# Altium PCB OSP_Carrier_V7_Release.PcbDoc (part 1 of 3) (continued)
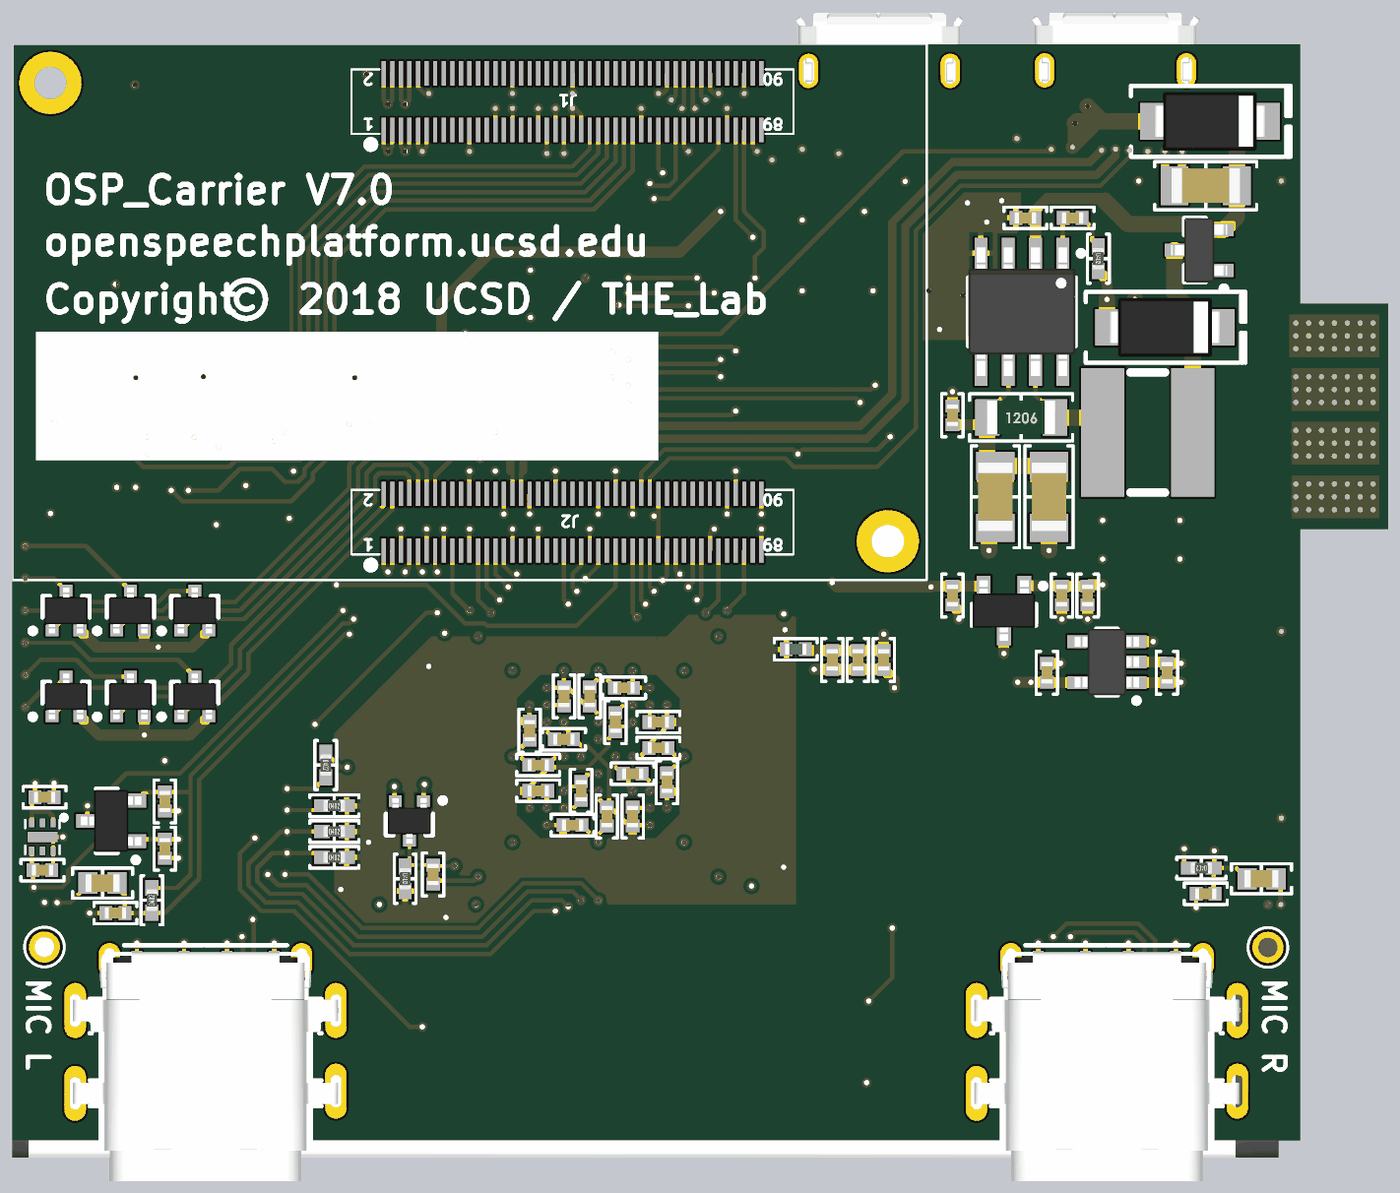
[diagram p7: 3D render of the assembled board from below, using the file's embedded part models]

## Layer stack, top to bottom
Top Solder: solder mask 0.4, Solder Resist, Dk 3.5
Component Side: signal copper 1.4
Dielectric 1: prepreg 5, FR-4, Dk 4.2
Signal Layer 1: signal copper 2
Dielectric 3: core 45.4, FR-4, Dk 4.2
Signal Layer 2: signal copper 2
Dielectric 2: prepreg 5, FR-4, Dk 4.2
Solder Side: signal copper 1.4
Bottom Solder: solder mask 0.4, Solder Resist, Dk 3.5

## Board outline
0,-2011.81 157.48,-2011.81 157.48,-1803.15 551.18,-1803.15 551.18,-2011.81 984.25,-2011.81 1377.95,-2011.81 1811.02,-2011.81 1811.02,-1803.15 2204.72,-1803.15 2204.72,-2011.81 2362.2,-2011.81 2362.2,0 0,0 0,-476.38 -161.42,-476.38 -161.42,-889.76 0,-889.76

## Design rules (kind name [scope] priority, off if disabled: settings)
BoardOutlineClearance [OnCopper] p1: gap=12 ignorepadtopadclearanceinfootprint=FALSE
Clearance Clearance_Polygon_FPGA [InPolygon And (OnTopLayer Or OnBottomLayer) And (InNet('+3V3_F') Or InNet('+1V8_IO'))] p1: gap=6 ignorepadtopadclearanceinfootprint=FALSE
Clearance Clearance_Polygon [InPolygon] p2: gap=8 ignorepadtopadclearanceinfootprint=FALSE
Clearance [All] p3: gap=4.5 ignorepadtopadclearanceinfootprint=FALSE
ComponentClearance ComponentClearance_J00 [InComponent('J0')   Or InComponent('J00')] p1: gap=0 collisioncheckmode=3 verticalgap=0 showdistances=FALSE
ComponentClearance [All] p2: gap=10 collisioncheckmode=3 verticalgap=10 showdistances=FALSE
DiffPairsRouting [All] p1: maxlimit=10 minlimit=4.5 mostfreqgap=8 toplayer_minwidth=6 toplayer_maxwidth=15 toplayer_prefwidth=8 midlayer1_minwidth=6 midlayer1_maxwidth=15 midlayer1_prefwidth=8 midlayer2_minwidth=6 midlayer2_maxwidth=15 midlayer2_prefwidth=8 bottomlayer_minwidth=6 bottomlayer_maxwidth=15 bottomlayer_prefwidth=8 maxuncoupledlength=500
Height [All] p1: minheight=0 maxheight=10000 prefheight=500
HoleSize [All] p1: absolutevalues=TRUE maxlimit=126 minlimit=1 maxpercent=80.000 minpercent=20.000
MinimumSolderMaskSliver [All] p1: minsoldermaskwidth=3
PolygonConnect PolygonConnect_SOM [InNet('GND') And OnTopLayer] p1: thpad.connectstyle=Relief thpad.reliefconductorwidth=8 thpad.reliefentries=4 thpad.polygonreliefangle="90 Angle" thpad.airgapwidth=10 smdpad.connectstyle=Relief smdpad.reliefconductorwidth=8 smdpad.reliefentries=4 smdpad.polygonreliefangle="90 Angle" smdpad.airgapwidth=7 via.connectstyle=Direct via.reliefconductorwidth=8 via.reliefentries=4 via.polygonreliefangle="90 Angle" via.airgapwidth=10
PolygonConnect PolygonConnect_3V3Thermal [InNet('+3V3') And OnTopLayer] p2: connectstyle=Direct reliefconductorwidth=8 reliefentries=4 polygonreliefangle="90 Angle" airgapwidth=10
PolygonConnect [All] p3: thpad.connectstyle=Relief thpad.reliefconductorwidth=10 thpad.reliefentries=4 thpad.polygonreliefangle="90 Angle" thpad.airgapwidth=10 smdpad.connectstyle=Relief smdpad.reliefconductorwidth=10 smdpad.reliefentries=4 smdpad.polygonreliefangle="90 Angle" smdpad.airgapwidth=10 via.connectstyle=Direct via.reliefconductorwidth=10 via.reliefentries=4 via.polygonreliefangle="90 Angle" via.airgapwidth=10
RoutingVias [All] p1: holewidth=9 width=18 viastyle="Through Hole" minholewidth=9 minwidth=18 maxholewidth=28 maxwidth=50
SilkToSilkClearance [All] p1: silktosilkclearance=0
SilkToSolderMaskClearance [IsPad] p1: minsilkscreentomaskgap=0 clearancetoexposedcopper=TRUE
SolderMaskExpansion [All] p1: expansion=4
Width [All] p1: maxlimit=50 minlimit=6 preferedwidth=8
23 further rules are at their usual default settings.

## Classes and differential pairs
component class OSP_Carrier_V7_Release_DJB: C12 C13 C14 C15 C16 C17 C19 C20 C21 C22 C23 C25 C26 C28 J2 J3 J40 Q7 R3 R4 R7 R10 R11 R12 R13 R14 R16 R17 R18 R19 R20 R21 R29 TP1 TP2 TP3 TP4 Y1
component class OSP_Carrier_V7_Release_Misc: C18 C39 J0 J00 LD2 LD3 LD5 LD6 LD7 LD8 LD9 LD10 Q1 Q2 Q3 Q4 Q5 Q6 R2 R5 R22 R23 R24 R25 R26 R27 R28 R31 R43 R44 SW1 SW2 SW3 U4
component class OSP_Carrier_V7_Release_PMIC_Audio: C43 C44 C47 C48 C98 C99 C110 C111 MK1 MK2 R6 R40 R41 U3 U24
component class OSP_Carrier_V7_Release_Power: A1 BT1 C1 C2 C3 C4 C5 C6 C7 C8 C9 C10 C11 C46 C49 C50 C51 C52 C53 C54 C55 C60 C61 C62 D2 D3 FB1 J26 L1 LD1 Q8 R1 R8 R9 U1 U5 U6 U7
component class OSP_Carrier_V7_Release_SD: C56 C57 C58 C59 D18 D19 J19 R32 R47
component class OSP_Carrier_V7_Release_USB: C70 C71 C72 C73 C74 C75 D1 D23 FB3 J4 J22 LD11 R30 R35 R49 R54 R55 U13 U14
differential pair R_PRE: +R_PRE_P -R_PRE_N
differential pair R_LVDS: +R_LVDS_P -R_LVDS_N
differential pair L_PRE: +L_PRE_P -L_PRE_N
differential pair L_LVDS: +L_LVDS_P -L_LVDS_N
differential pair USB_D: +USB_D_P -USB_D_N
differential pair USB_U: +USB_U_P -USB_U_N
differential pair USB_UX: +USB_UX_P -USB_UX_N

## Components (designator, comment, footprint, x,y, rotation, side; value= is the part's Value field where it differs from the comment)
A1 "DART-SD410" DART-SD410 685.04,0.79 r0 bottom locked
BT1 "BP2000 / AVX 9155-004-201-006" SAMSUNG_BP2000 39.37,-220.47 r0 top locked
C1 "4.7uF" "CAP 0402/1005" 763.78,-1129.92 r90 bottom
C2 "1uF" "CAP 0402/1005" 811.02,-1129.92 r270 bottom
C3 "0.1uF" "CAP 0402/1005" 858.27,-1129.92 r90 bottom
C4 "0.1uF" "CAP 0402/1005" 980.31,-1062.99 r270 top
C5 "0.1uF" "CAP 0402/1005" 1523.62,-1618.11 r0 top
C6 "0.1uF" "CAP 0402/1005" 1350.39,-1275.59 r180 bottom
C7 "0.1uF" "CAP 0402/1005" 1224.41,-1338.58 r0 bottom
C8 "0.01uF" "CAP 0402/1005" 1598.43,-1098.43 r270 top
C9 "0.01uF" "CAP 0402/1005" 976.38,-1527.56 r90 top
C10 "0.01uF" "CAP 0402/1005" 1255.91,-1244.09 r270 bottom
C11 "0.01uF" "CAP 0402/1005" 1318.9,-1370.08 r90 bottom
C12 "0.1uF" "CAP 0402/1005" 1303.15,-1196.85 r270 bottom
C13 "0.1uF" "CAP 0402/1005" 1271.65,-1417.32 r90 bottom
C14 "0.1uF" "CAP 0402/1005" 1590.55,-1523.62 r270 bottom
C15 "0.1uF" "CAP 0402/1005" 1397.64,-1370.08 r0 bottom
C16 "0.1uF" "CAP 0402/1005" 1177.16,-1291.34 r0 bottom
C17 "0.1uF" "CAP 0402/1005" 1708.66,-1417.32 r270 top
C18 "0.1uF" "CAP 0402/1005" 1385.83,-397.64 r270 top
C19 "0.1uF" "CAP 0402/1005" 1413.39,-1259.84 r90 bottom
C20 "0.1uF" "CAP 0402/1005" 1397.64,-1322.83 r180 bottom
C21 "0.01uF" "CAP 0402/1005" 1240.16,-1181.1 r0 bottom
C22 "0.01uF" "CAP 0402/1005" 1224.41,-1417.32 r90 bottom
C23 "0.01uF" "CAP 0402/1005" 1350.39,-1196.85 r270 bottom
C25 "0.01uF" "CAP 0402/1005" 1334.65,-1433.07 r180 bottom
C26 "0.01uF" "CAP 0402/1005" 1177.16,-1244.09 r0 bottom
C28 "0.01uF" "CAP 0402/1005" 1161.42,-1354.33 r90 bottom
C39 "0.1uF" "CAP 0402/1005" 1385.83,-484.25 r270 top
C43 "1uF" "CAP 0402/1005" 2082.68,-1476.38 r270 bottom
C44 "1uF" "CAP 0402/1005" 2082.68,-1389.76 r270 bottom
C46 "10uF" "CAP 1206/3216" 173.23,-259.84 r0 bottom
C47 "33pF" "CAP 0402/1005" 173.23,-1559.06 r180 bottom
C48 "33pF" "CAP 0402/1005" 2173.23,-1594.49 r180 bottom
C49 "0.47uF" "CAP 0402/1005" 417.32,-318.9 r180 bottom
C50 "1uF" "CAP 0402/1005" 637.8,-681.1 r90 bottom
C51 "10uF" "CAP 1206/3216" 559.05,-830.71 r270 bottom
C52 "10uF" "CAP 1206/3216" 460.63,-830.71 r270 bottom
C53 "0.1uF" "CAP 0402/1005" 503.94,-318.9 r0 bottom
C54 "1uF" "CAP 0402/1005" 244.09,-1153.54 r90 bottom
C55 "1uF" "CAP 0402/1005" 464.57,-1153.54 r90 bottom
C56 "0.1uF" "CAP 0402/1005" 1944.88,-724.41 r180 top
C57 "47pF" "CAP 0402/1005" 2153.54,-783.46 r180 top
C58 "1uF" "CAP 0603/1608" 1960.63,-779.53 r180 top
C59 "0.1uF" "CAP 0402/1005" 1720.47,-724.41 r0 top
C60 "4.7uF" "CAP 0402/1005" 389.76,-1011.81 r90 bottom
C61 "0.1uF" "CAP 0402/1005" 437.01,-1011.81 r90 bottom
C62 "1uF" "CAP 0402/1005" 637.8,-1011.81 r270 bottom
C70 "1uF" "CAP 0603/1608" 889.76,-488.19 r180 top
C71 "4.7uF" "CAP 0402/1005" 755.91,-440.94 r90 top
C72 "0.1uF" "CAP 0402/1005" 807.09,-440.94 r90 top
C73 "0.1uF" "CAP 0402/1005" 807.09,-354.33 r270 top
C74 "47pF" "CAP 0402/1005" 870.08,-236.22 r0 top
C75 "47pF" "CAP 0402/1005" 956.69,-236.22 r180 top
C98 "1uF" "CAP 0603/1608" 2196.85,-1539.37 r0 bottom
C99 "1uF" "CAP 0603/1608" 70.87,-1531.5 r180 bottom
C110 "1uF" "CAP 0402/1005" 2303.15,-1381.89 r180 bottom
C111 "1uF" "CAP 0402/1005" 2307.09,-1515.75 r180 bottom
D1 "TPD4S012" TI_SON6 338.58,-236.22 r180 top
D2 "B330" "DO214AC SMA" 165.35,-141.73 r180 bottom
D3 "B330" "DO214AC SMA" 248.03,-519.69 r180 bottom
D18 "TPD4E001" TI_SOT-563_DRL 2066.93,-751.97 r270 top
D19 "TPD4E001" TI_SOT-563_DRL 1807.09,-751.97 r90 top
D23 "TPD4S012" TI_SON6 775.59,-244.09 r180 top
FB1 "220 Ohm @ 100MHz" "FER 0402/1005" 925.2,-1110.24 r0 bottom
FB3 "220 Ohm @ 100MHz" "FER 0603/1608" 748.03,-338.58 r90 top
J0 "DF40C-90DS-0.4V(51)" Hirose_DF40C-90DS-0.4V(51) 1334.65,-105.51 r0 top
J00 "DF40C-90DS-0.4V(51)" Hirose_DF40C-90DS-0.4V(51) 1334.65,-877.17 r0 top
J2 "USB-C" TE_USB-C_2129691-1 2007.87,-1874.02 r0 bottom
J3 "USB-C" TE_USB-C_2129691-1 354.33,-1874.02 r0 bottom
J4 "Micro USB" "FCI USB 10118193-0001LF" 338.58,-50.2 r0 top
J19 "DM3AT-SF-PEJM5" "HIROSE DM3AT-SF-PEJM5" 1921.26,-341.54 r180 top
J22 "Micro USB" "FCI USB 10118193-0001LF" 771.65,-51.18 r0 top
J26 "Shallow" AMPHENOL_10125839-04RAEHLF_DNP 291.34,-830.71 r180 top
J40 "FFC" AMPHENOL_HFW6R-1STE1LF 1881.89,-1425.2 r90 top
L1 "6.8uH" LAIRD_TYS6028 279.53,-712.6 r180 bottom
LD1 "Red" "LED 0603/1608 RED" 555.12,-74.8 r90 top value=Green
LD2 "Yellow" "LED 0603/1608 YELLOW" 2255.91,-724.41 r90 top value=Green
LD3 "Green" "LED 0603/1608 GREEN" 2314.96,-724.41 r90 top
LD5 "Green" "LED 0603/1608 GREEN" 2274.61,-921.26 r0 top
LD6 "Green" "LED 0603/1608 GREEN" 2274.61,-980.31 r0 top
LD7 "Green" "LED 0603/1608 GREEN" 2274.61,-1039.37 r0 top
LD8 "Green" "LED 0603/1608 GREEN" 2274.61,-1098.43 r0 top
LD9 "Yellow" "LED 0603/1608 YELLOW" 2274.61,-1216.54 r0 top value=Green
LD10 "Blue" "LED 0603/1608 BLUE" 2274.61,-1157.48 r0 top value=Green
LD11 "Green" "LED 0603/1608 GREEN" 681.1,-277.56 r90 top
MK1 "MEMS" MEMS_MIC 2303.15,-1637.8 r0 top
MK2 "MEMS" MEMS_MIC 58.76,-1638.58 r0 top
Q1 "NX3020NAKW,115" "NXP SOT-323-3" 2145.67,-1039.37 r90 bottom
Q2 "NX3020NAKW,115" "NXP SOT-323-3" 2263.78,-1039.37 r90 bottom
Q3 "NX3020NAKW,115" "NXP SOT-323-3" 2027.56,-1039.37 r90 bottom
Q4 "NX3020NAKW,115" "NXP SOT-323-3" 2027.56,-1196.85 r90 bottom
Q5 "NX3020NAKW,115" "NXP SOT-323-3" 2263.78,-1196.85 r90 bottom
Q6 "NX3020NAKW,115" "NXP SOT-323-3" 2145.67,-1196.85 r90 bottom
Q7 "NX3020NAKW,115" "NXP SOT-323-3" 1633.86,-1425.2 r270 bottom
Q8 "PMV30XPEAR" NXP_SOT23 185.04,-377.95 r0 bottom
R1 "2k" "RES 0402/1005" 555.12,-188.98 r270 top
R2 "330" "RES 0402/1005" 2255.91,-838.58 r90 top
R3 "4.7k" "RES 0402/1005" 1641.73,-1531.5 r270 bottom
R4 "10k" "RES 0402/1005" 1771.65,-1492.13 r180 bottom
R5 "330" "RES 0402/1005" 2314.96,-838.58 r90 top
R6 "0.0" "RES 0603/1608" 1562.99,-220.47 r270 top
R7 "10k" "RES 0402/1005" 1771.65,-1444.79 r180 bottom
R8 "0.2" "STACKPOLE CSR1206" 511.81,-685.04 r180 bottom
R9 "2.2k" "RES 0402/1005" 370.08,-393.7 r270 bottom
R10 "10k" "RES 0402/1005" 1771.65,-1397.64 r180 bottom
R11 "10k" "RES 0402/1005" 1787.4,-1322.83 r270 bottom
R12 "2k" "RES 0402/1005" 1665.35,-1803.15 r180 top
R13 "100" "RES 0402/1005" 1614.17,-1751.97 r0 top
R14 "115" "RES 0402/1005" 1688.98,-1728.35 r270 top
R16 "100" "RES 0402/1005" 1614.17,-1704.72 r0 top
R17 "2k" "RES 0402/1005" 1688.98,-1629.92 r270 top
R18 "2k" "RES 0402/1005" 740.16,-1755.91 r0 top
R19 "100" "RES 0402/1005" 791.34,-1807.09 r180 top
R20 "115" "RES 0402/1005" 716.54,-1830.71 r90 top
R21 "100" "RES 0402/1005" 791.34,-1854.33 r180 top
R22 "200" "RES 0402/1005" 2156.5,-921.26 r180 top
R23 "200" "RES 0402/1005" 2156.5,-980.31 r180 top
R24 "200" "RES 0402/1005" 2156.5,-1039.37 r180 top
R25 "200" "RES 0402/1005" 2156.5,-1098.43 r180 top
R26 "200" "RES 0402/1005" 2157.48,-1216.54 r180 top
R27 "200" "RES 0402/1005" 2157.48,-1157.48 r180 top
R28 "10k" "RES 0402/1005" 1043.31,-216.54 r270 top
R29 "2k" "RES 0402/1005" 740.16,-1905.51 r180 top
R30 "100k" "RES 0402/1005" 311.02,-291.34 r0 top
R31 "10k" "RES 0402/1005" 1500,-818.9 r180 top
R32 "100k" "RES 0402/1005" 2011.81,-850.39 r180 top value=1K
R35 "47k" "RES 0402/1005" 236.22,-263.78 r270 top
R40 "10k" "RES 0402/1005" 181.1,-1511.81 r0 bottom
R41 "10k" "RES 0402/1005" 2106.3,-1570.87 r90 bottom
R43 "0.0" "RES 0603/1608" 2122.05,-862.2 r180 top
R44 "10k" "RES 0402/1005" 885.83,-1011.81 r90 top
R47 "1M" "RES 0402/1005" 1830.71,-826.77 r0 top
R49 "470" "RES 0402/1005" 661.42,-370.08 r180 top
R54 "33" "RES 0402/1005" 862.2,-287.4 r0 top
R55 "33" "RES 0402/1005" 964.57,-287.4 r180 top
SW1 "EVQ-P7A01P" PANASONIC_EVQ-P7A 62.99,-1421.26 r270 top
SW2 "EVQ-P7A01P" PANASONIC_EVQ-P7A 62.99,-1078.74 r270 top
SW3 "EVQ-P7A01P" PANASONIC_EVQ-P7A 62.99,-251.97 r270 top
TP1 "TP_SMD_1MM_SQ" TP_SMD_1MM_SQ 1759.84,-1181.1 r0 top
TP2 "TP_SMD_1MM_SQ" TP_SMD_1MM_SQ 1834.65,-1181.1 r90 top
TP3 "TP_SMD_1MM_SQ" TP_SMD_1MM_SQ 1610.24,-1181.1 r90 top
TP4 "TP_SMD_1MM_SQ" TP_SMD_1MM_SQ 1685.04,-1181.1 r90 top
U1 "MachXO3LF-6900C" LCMXO3_caBGA_BG256 1287.4,-1307.09 r180 top locked
U3 "AP7313-18SAG-7" "DIODES SOT-23-3" 2181.1,-1425.2 r0 bottom
U4 "BMI160" BOSCH_LGA14 1299.21,-429.13 r90 top
U5 "LTC4002" AD_LT_S8 510.43,-491.14 r270 bottom
U6 "BU33SD5WG" ROHM_SSOP5 354.31,-1133.84 r0 bottom
U7 "AP7313-18SAG-7" "DIODES SOT-23-3" 543.32,-1039.35 r270 bottom
U13 "AP7313-18SAG-7" "DIODES SOT-23-3" 661.42,-472.44 r90 top
U14 "FT234XD" FTDI_DFN12 913.39,-385.83 r0 top
U24 "1.2V" MICROCHIP_MIC5512 2307.09,-1454.72 r270 bottom
Y1 "12.288 MHz" OSC_2.5x2.0mm 1657.48,-1466.54 r90 top

## Footprints (in the part's own frame and the unit in brackets; to place one, negate y for a bottom-side part, rotate by r counter-clockwise, add the part's x,y. Pads: shape width x height; smd on the part's side, far side on the other; paste and mask are expansions set on the pad)
AD_LT_S8 [mm] "SOIC8 by Analog Devices / Linear Technology"
  rect 1.45x0.6 smd: 1(-2.725,1.905) 2(-2.725,0.635) 3(-2.725,-0.635) 4(-2.725,-1.905) 5(2.725,-1.905) 6(2.725,-0.635) 7(2.725,0.635) 8(2.725,1.905)
  silkscreen extent -2.85,-2.5 1.6,2.88, body extent -3,-2.5 3,2.5, height 1.75
AMPHENOL_10125839-04RAEHLF_DNP [mm] "Amphenol 10125839-04RAEHLF 4-pin shallow SMD connector (DO NOT POPULATE)"
  rect 0.6x1.5 smd: 0(-3.07,-1.4) 0(3.07,-1.4)
  rect 0.6x1.1 smd: 1(-1.8,2) 2(-0.6,2) 3(0.6,2) 4(1.8,2)
  silkscreen extent -3.4,-3.1 3.4,2
AMPHENOL_HFW6R-1STE1LF [mm] "Amphenol HFW6R-1STE1LF 6-pin flat flexible cable connector"
  rect 0.7x4.2 smd: 0(-3.5,-0.1) 0(3.5,-0.1)
  rect 0.6x2 smd: 1(-2.5,2) 2(-1.5,2) 3(-0.5,2) 4(0.5,2) 5(1.5,2) 6(2.5,2)
  silkscreen extent -4.3,-3 4.3,2.5, body extent -4.3,-3 4.3,2.5, height 1.9
BOSCH_LGA14 [mm] "Bosch BMI160"
  rect 0.675x0.25 smd: 1(-1.262,0.75) 2(-1.262,0.25) 3(-1.262,-0.25) 4(-1.262,-0.75) 8(1.262,-0.75) 9(1.262,-0.25) 10(1.262,0.25) 11(1.262,0.75)
  rect 0.25x0.675 smd: 5(-0.5,-1.012) 6(0,-1.012) 7(0.5,-1.012) 12(0.5,1.012) 13(0,1.012) 14(-0.5,1.012)
  silkscreen extent -2.1,-1.25 1.5,1.25, body extent -1.52,-1.27 1.52,1.27, height 0.83
"CAP 0402/1005" [mm] "Chip Capacitor, 2-Leads, Body 1.02x0.51mm, IPC Medium Density"
  rect 0.6x0.64 smd: 1(-0.44,0) 2(0.44,0)
  silkscreen extent -1,-0.5 1,0.5, body extent -0.5,-0.26 0.5,0.26, height 0.52
"CAP 0603/1608" [mm] "Chip Capacitor, 2-Leads, Body 1.60x0.80mm, IPC Medium Density"
  rect 0.9x1 smd: 1(-0.675,0) 2(0.675,0)
  silkscreen extent -1.4,-0.7 1.4,0.7, body extent -0.8,-0.41 0.8,0.41, height 0.82
"CAP 1206/3216" [mm] "Chip Capacitor, 2-Leads, Body 3.25x1.60mm, IPC Medium Density"
  rect 1.3x1.8 smd: 1(-1.45,0) 2(1.45,0)
  silkscreen extent -2.37,-1.12 2.37,1.12, body extent -1.6,-0.81 1.6,0.81, height 1.62
DART-SD410 [mm] "Variscite DART-SD410 SoM"
  round 2.896 hole 1.499: 0(1.81,23.19) 0(40.83,1.83)
  rect 0.2x1.14 smd: 1(25.3,4.02) 2(25.3,1.38) 3(24.9,4.02) 4(24.9,1.38) 5(24.5,4.02) 6(24.5,1.38) 7(24.1,4.02) 8(24.1,1.38) 9(23.7,4.02) 10(23.7,1.38) 11(23.3,4.02) 12(23.3,1.38) 13(22.9,4.02) 14(22.9,1.38) 15(22.5,4.02) 16(22.5,1.38) 17(22.1,4.02) 18(22.1,1.38) 19(21.7,4.02) 20(21.7,1.38) 21(21.3,4.02) 22(21.3,1.38) 23(20.9,4.02) 24(20.9,1.38) 25(20.5,4.02) 26(20.5,1.38) 27(20.1,4.02) 28(20.1,1.38) 29(19.7,4.02) 30(19.7,1.38) 31(19.3,4.02) 32(19.3,1.38) 33(18.9,4.02) 34(18.9,1.38) 35(18.5,4.02) 36(18.5,1.38) 37(18.1,4.02) 38(18.1,1.38) 39(17.7,4.02) 40(17.7,1.38) 41(17.3,4.02) 42(17.3,1.38) 43(16.9,4.02) 44(16.9,1.38) 45(16.5,4.02) 46(16.5,1.38) 47(16.1,4.02) 48(16.1,1.38) 49(15.7,4.02) 50(15.7,1.38) 51(15.3,4.02) 52(15.3,1.38) 53(14.9,4.02) 54(14.9,1.38) 55(14.5,4.02) 56(14.5,1.38) 57(14.1,4.02) 58(14.1,1.38) 59(13.7,4.02) 60(13.7,1.38) 61(13.3,4.02) 62(13.3,1.38) 63(12.9,4.02) 64(12.9,1.38) 65(12.5,4.02) 66(12.5,1.38) 67(12.1,4.02) 68(12.1,1.38) 69(11.7,4.02) 70(11.7,1.38) 71(11.3,4.02) 72(11.3,1.38) 73(10.9,4.02) 74(10.9,1.38) 75(10.5,4.02) 76(10.5,1.38) 77(10.1,4.02) 78(10.1,1.38) 79(9.7,4.02) 80(9.7,1.38) 81(9.3,4.02) 82(9.3,1.38) 83(8.9,4.02) 84(8.9,1.38) 85(8.5,4.02) 86(8.5,1.38) 87(8.1,4.02) 88(8.1,1.38) 89(7.7,4.02) 90(7.7,1.38) 101(25.3,23.62) 102(25.3,20.98) 103(24.9,23.62) 104(24.9,20.98) 105(24.5,23.62) 106(24.5,20.98) 107(24.1,23.62) 108(24.1,20.98) 109(23.7,23.62) 110(23.7,20.98) 111(23.3,23.62) 112(23.3,20.98) 113(22.9,23.62) 114(22.9,20.98) 115(22.5,23.62) 116(22.5,20.98) 117(22.1,23.62) 118(22.1,20.98) 119(21.7,23.62) 120(21.7,20.98) 121(21.3,23.62) 122(21.3,20.98) 123(20.9,23.62) 124(20.9,20.98) 125(20.5,23.62) 126(20.5,20.98) 127(20.1,23.62) 128(20.1,20.98) 129(19.7,23.62) 130(19.7,20.98) 131(19.3,23.62) 132(19.3,20.98) 133(18.9,23.62) 134(18.9,20.98) 135(18.5,23.62) 136(18.5,20.98) 137(18.1,23.62) 138(18.1,20.98) 139(17.7,23.62) 140(17.7,20.98) 141(17.3,23.62) 142(17.3,20.98) 143(16.9,23.62) 144(16.9,20.98) 145(16.5,23.62) 146(16.5,20.98) 147(16.1,23.62) 148(16.1,20.98) 149(15.7,23.62) 150(15.7,20.98) 151(15.3,23.62) 152(15.3,20.98) 153(14.9,23.62) 154(14.9,20.98) 155(14.5,23.62) 156(14.5,20.98) 157(14.1,23.62) 158(14.1,20.98) 159(13.7,23.62) 160(13.7,20.98) 161(13.3,23.62) 162(13.3,20.98) 163(12.9,23.62) 164(12.9,20.98) 165(12.5,23.62) 166(12.5,20.98) 167(12.1,23.62) 168(12.1,20.98) 169(11.7,23.62) 170(11.7,20.98) 171(11.3,23.62) 172(11.3,20.98) 173(10.9,23.62) 174(10.9,20.98) 175(10.5,23.62) 176(10.5,20.98) 177(10.1,23.62) 178(10.1,20.98) 179(9.7,23.62) 180(9.7,20.98) 181(9.3,23.62) 182(9.3,20.98) 183(8.9,23.62) 184(8.9,20.98) 185(8.5,23.62) 186(8.5,20.98) 187(8.1,23.62) 188(8.1,20.98) 189(7.7,23.62) 190(7.7,20.98)
  silkscreen extent 0,0 42.6,25, body extent 0,0 42.63,25, height 4.2
"DIODES SOT-23-3" [mm] "SOT23, 3-Leads, Body 2.90x2.40mm, Pitch 0.95mm, IPC Medium Density"
  rect 0.95x0.65 smd: 1(-1.15,0.95) 2(1.15,0) 3(-1.15,-0.95)
  silkscreen extent -1.27,-1.5 0.7,1.95, body extent -1.41,-1.45 1.41,1.45, height 1.5
"DO214AC SMA" [mm] "Molded Diode, 2-Leads, Body 4.30x2.60mm, IPC Medium Density"
  rect 2.5x1.7 smd: 1(-2,0) 2(2,0)
  silkscreen extent -3.68,-1.65 3.75,1.65, body extent -2.6,-1.37 2.6,1.37, height 2.4
"FCI USB 10118193-0001LF" [mm] "USB 2.0 Type B Micro"
  oval 0.4x1.35 smd: 1(1.3,-2.625) 2(0.65,-2.625) 3(0,-2.625) 4(-0.65,-2.625) 5(-1.3,-2.625)
  oval 0.9x1.6 hole 0.5 slot 1.2 at 90 deg: S(-3.3,0.05) S(3.3,0.05)
  rrect50% 1.6x1.4 smd: S(-3.2,-2.4) S(3.2,-2.4)
  rect 1.9x1.8 smd: S(-1.2,0.05) S(1.2,0.05)
  silkscreen extent -3.7,-2.8 3.7,2.8, body extent -3.93,-2.9 3.93,2.76, height 2.78
"FER 0402/1005" [mm] "Chip Ferrite, 2-Leads, Body 1.02x0.51mm, IPC Medium Density"
  rect 0.6x0.64 smd: 1(-0.44,0) 2(0.44,0)
  silkscreen extent -1,-0.5 1,0.5, body extent -0.5,-0.26 0.5,0.26, height 0.52
"FER 0603/1608" [mm] "Chip Ferrite, 2-Leads, Body 1.60x0.80mm, IPC Medium Density"
  rect 0.9x1 smd: 1(-0.675,0) 2(0.675,0)
  silkscreen extent -1.4,-0.7 1.4,0.7, body extent -0.8,-0.41 0.8,0.41, height 0.82
FTDI_DFN12 [mm] "DFN/SON"
  rect 0.85x0.25 smd: 1(-1.415,1.125) 2(-1.415,0.675) 3(-1.415,0.225) 4(-1.415,-0.225) 5(-1.415,-0.675) 6(-1.415,-1.125) 7(1.415,-1.125) 8(1.415,-0.675) 9(1.415,-0.225) 10(1.415,0.225) 11(1.415,0.675) 12(1.415,1.125)
  rect 1.58x2.48 smd: 13(0,0)
  silkscreen extent -1.95,-1.65 1.5,1.7, body extent -1.5,-1.5 1.5,1.5, height 0.8
"HIROSE DM3AT-SF-PEJM5" [mm]
  rect 0.7x1.2 smd: 1(3.2,7.825) 2(2.1,7.825) 3(1,7.825) 4(-0.1,7.825) 5(-1.2,7.825) 6(-2.3,7.825) 7(-3.4,7.825) 8(-4.5,7.825) 9(-5.45,7.825)
  rect 1x0.8 smd: 10(-6.55,-2.675)
  rect 1x1.2 smd: S(-6.4,3.525) S(4.75,7.825)
  rect 1x2.8 smd: S(-6.4,-6.775)
  rect 1.3x1.9 smd: S(6.95,-7.275)
  silkscreen extent -6.5,-8.18 7.3,7.93, body extent -6.52,-8.18 7.32,7.97, height 1.68
Hirose_DF40C-90DS-0.4V(51) [mm] "Hirose DF40C-90DS-0.4V(51) Board-to-Board Connector"
  rect 0.2x1.14 on Mech16: 1(8.8,-1.32) 2(8.8,1.32) 3(8.4,-1.32) 4(8.4,1.32) 5(8,-1.32) 6(8,1.32) 7(7.6,-1.32) 8(7.6,1.32) 9(7.2,-1.32) 10(7.2,1.32) 11(6.8,-1.32) 12(6.8,1.32) 13(6.4,-1.32) 14(6.4,1.32) 15(6,-1.32) 16(6,1.32) 17(5.6,-1.32) 18(5.6,1.32) 19(5.2,-1.32) 20(5.2,1.32) 21(4.8,-1.32) 22(4.8,1.32) 23(4.4,-1.32) 24(4.4,1.32) 25(4,-1.32) 26(4,1.32) 27(3.6,-1.32) 28(3.6,1.32) 29(3.2,-1.32) 30(3.2,1.32) 31(2.8,-1.32) 32(2.8,1.32) 33(2.4,-1.32) 34(2.4,1.32) 35(2,-1.32) 36(2,1.32) 37(1.6,-1.32) 38(1.6,1.32) 39(1.2,-1.32) 40(1.2,1.32) 41(0.8,-1.32) 42(0.8,1.32) 43(0.4,-1.32) 44(0.4,1.32) 45(0,-1.32) 46(0,1.32) 47(-0.4,-1.32) 48(-0.4,1.32) 49(-0.8,-1.32) 50(-0.8,1.32) 51(-1.2,-1.32) 52(-1.2,1.32) 53(-1.6,-1.32) 54(-1.6,1.32) 55(-2,-1.32) 56(-2,1.32) 57(-2.4,-1.32) 58(-2.4,1.32) 59(-2.8,-1.32) 60(-2.8,1.32) 61(-3.2,-1.32) 62(-3.2,1.32) 63(-3.6,-1.32) 64(-3.6,1.32) 65(-4,-1.32) 66(-4,1.32) 67(-4.4,-1.32) 68(-4.4,1.32) 69(-4.8,-1.32) 70(-4.8,1.32) 71(-5.2,-1.32) 72(-5.2,1.32) 73(-5.6,-1.32) 74(-5.6,1.32) 75(-6,-1.32) 76(-6,1.32) 77(-6.4,-1.32) 78(-6.4,1.32) 79(-6.8,-1.32) 80(-6.8,1.32) 81(-7.2,-1.32) 82(-7.2,1.32) 83(-7.6,-1.32) 84(-7.6,1.32) 85(-8,-1.32) 86(-8,1.32) 87(-8.4,-1.32) 88(-8.4,1.32) 89(-8.8,-1.32) 90(-8.8,1.32)
  body extent -10.3,-1.5 10.3,1.5, height 1.45
LAIRD_TYS6028 [mm] "Laird TYS6028 series inductor"
  rect 2x6 smd: 1(-2.1,0) 2(2.1,0)
  silkscreen extent -0.8,-2.8 0.8,2.8, body extent -3,-3 3,3, height 2.8
LCMXO3_caBGA_BG256 [mm] "BGA, 256-Leads, Body 14.00x14.00mmx1.70mm, Pitch 0.80mm"
  round 0.4 smd: A1(-6,6) A2(-5.2,6) A3(-4.4,6) A4(-3.6,6) A5(-2.8,6) A6(-2,6) A7(-1.2,6) A8(-0.4,6) A9(0.4,6) A10(1.2,6) A11(2,6) A12(2.8,6) A13(3.6,6) A14(4.4,6) A15(5.2,6) A16(6,6) B1(-6,5.2) B2(-5.2,5.2) B3(-4.4,5.2) B4(-3.6,5.2) B5(-2.8,5.2) B6(-2,5.2) B7(-1.2,5.2) B8(-0.4,5.2) B9(0.4,5.2) B10(1.2,5.2) B11(2,5.2) B12(2.8,5.2) B13(3.6,5.2) B14(4.4,5.2) B15(5.2,5.2) B16(6,5.2) C1(-6,4.4) C2(-5.2,4.4) C3(-4.4,4.4) C4(-3.6,4.4) C5(-2.8,4.4) C6(-2,4.4) C7(-1.2,4.4) C8(-0.4,4.4) C9(0.4,4.4) C10(1.2,4.4) C11(2,4.4) C12(2.8,4.4) C13(3.6,4.4) C14(4.4,4.4) C15(5.2,4.4) C16(6,4.4) D1(-6,3.6) D2(-5.2,3.6) D3(-4.4,3.6) D4(-3.6,3.6) D5(-2.8,3.6) D6(-2,3.6) D7(-1.2,3.6) D8(-0.4,3.6) D9(0.4,3.6) D10(1.2,3.6) D11(2,3.6) D12(2.8,3.6) D13(3.6,3.6) D14(4.4,3.6) D15(5.2,3.6) D16(6,3.6) E1(-6,2.8) E2(-5.2,2.8) E3(-4.4,2.8) E4(-3.6,2.8) E5(-2.8,2.8) E6(-2,2.8) E7(-1.2,2.8) E8(-0.4,2.8) E9(0.4,2.8) E10(1.2,2.8) E11(2,2.8) E12(2.8,2.8) E13(3.6,2.8) E14(4.4,2.8) E15(5.2,2.8) E16(6,2.8) F1(-6,2) F2(-5.2,2) F3(-4.4,2) F4(-3.6,2) F5(-2.8,2) F6(-2,2) F7(-1.2,2) F8(-0.4,2) F9(0.4,2) F10(1.2,2) F11(2,2) F12(2.8,2) F13(3.6,2) F14(4.4,2) F15(5.2,2) F16(6,2) G1(-6,1.2) G2(-5.2,1.2) G3(-4.4,1.2) G4(-3.6,1.2) G5(-2.8,1.2) G6(-2,1.2) G7(-1.2,1.2) G8(-0.4,1.2) G9(0.4,1.2) G10(1.2,1.2) G11(2,1.2) G12(2.8,1.2) G13(3.6,1.2) G14(4.4,1.2) G15(5.2,1.2) G16(6,1.2) H1(-6,0.4) H2(-5.2,0.4) H3(-4.4,0.4) H4(-3.6,0.4) H5(-2.8,0.4) H6(-2,0.4) H7(-1.2,0.4) H8(-0.4,0.4) H9(0.4,0.4) H10(1.2,0.4) H11(2,0.4) H12(2.8,0.4) H13(3.6,0.4) H14(4.4,0.4) H15(5.2,0.4) H16(6,0.4) J1(-6,-0.4) J2(-5.2,-0.4) J3(-4.4,-0.4) J4(-3.6,-0.4) J5(-2.8,-0.4) J6(-2,-0.4) J7(-1.2,-0.4) J8(-0.4,-0.4) J9(0.4,-0.4) J10(1.2,-0.4) J11(2,-0.4) J12(2.8,-0.4) J13(3.6,-0.4) J14(4.4,-0.4) J15(5.2,-0.4) J16(6,-0.4) K1(-6,-1.2) K2(-5.2,-1.2) K3(-4.4,-1.2) K4(-3.6,-1.2) K5(-2.8,-1.2) K6(-2,-1.2) K7(-1.2,-1.2) K8(-0.4,-1.2) K9(0.4,-1.2) K10(1.2,-1.2) K11(2,-1.2) K12(2.8,-1.2) K13(3.6,-1.2) K14(4.4,-1.2) K15(5.2,-1.2) K16(6,-1.2) L1(-6,-2) L2(-5.2,-2) L3(-4.4,-2) L4(-3.6,-2) L5(-2.8,-2) L6(-2,-2) L7(-1.2,-2) L8(-0.4,-2) L9(0.4,-2) L10(1.2,-2) L11(2,-2) L12(2.8,-2) L13(3.6,-2) L14(4.4,-2) L15(5.2,-2) L16(6,-2) M1(-6,-2.8) M2(-5.2,-2.8) M3(-4.4,-2.8) M4(-3.6,-2.8) M5(-2.8,-2.8) M6(-2,-2.8) M7(-1.2,-2.8) M8(-0.4,-2.8) M9(0.4,-2.8) M10(1.2,-2.8) M11(2,-2.8) M12(2.8,-2.8) M13(3.6,-2.8) M14(4.4,-2.8) M15(5.2,-2.8) M16(6,-2.8) N1(-6,-3.6) N2(-5.2,-3.6) N3(-4.4,-3.6) N4(-3.6,-3.6) N5(-2.8,-3.6) N6(-2,-3.6) N7(-1.2,-3.6) N8(-0.4,-3.6) N9(0.4,-3.6) N10(1.2,-3.6) N11(2,-3.6) N12(2.8,-3.6) N13(3.6,-3.6) N14(4.4,-3.6) N15(5.2,-3.6) N16(6,-3.6) P1(-6,-4.4) P2(-5.2,-4.4) P3(-4.4,-4.4) P4(-3.6,-4.4) P5(-2.8,-4.4) P6(-2,-4.4) P7(-1.2,-4.4) P8(-0.4,-4.4) P9(0.4,-4.4) P10(1.2,-4.4) P11(2,-4.4) P12(2.8,-4.4) P13(3.6,-4.4) P14(4.4,-4.4) P15(5.2,-4.4) P16(6,-4.4) R1(-6,-5.2) R2(-5.2,-5.2) R3(-4.4,-5.2) R4(-3.6,-5.2) R5(-2.8,-5.2) R6(-2,-5.2) R7(-1.2,-5.2) R8(-0.4,-5.2) R9(0.4,-5.2) R10(1.2,-5.2) R11(2,-5.2) R12(2.8,-5.2) R13(3.6,-5.2) R14(4.4,-5.2) R15(5.2,-5.2) R16(6,-5.2) T1(-6,-6) T2(-5.2,-6) T3(-4.4,-6) T4(-3.6,-6) T5(-2.8,-6) T6(-2,-6) T7(-1.2,-6) T8(-0.4,-6) T9(0.4,-6) T10(1.2,-6) T11(2,-6) T12(2.8,-6) T13(3.6,-6) T14(4.4,-6) T15(5.2,-6) T16(6,-6)
  silkscreen extent -7.78,-7 7,7, body extent -7,-7 7,7, height 1.7
"LED 0603/1608 BLUE" [mm] "Chip Diode, 2-Leads, Body 1.60x0.80mm, IPC Medium Density"
  rect 0.8x0.8 smd: 1(-0.75,0) 2(0.75,0)
  silkscreen extent -1.52,-0.7 1.52,0.7, body extent -0.8,-0.4 0.8,0.4, height 0.53
"LED 0603/1608 GREEN" [mm] "Chip Diode, 2-Leads, Body 1.60x0.80mm, IPC Medium Density"
  rect 0.8x0.8 smd: 1(-0.75,0) 2(0.75,0)
  silkscreen extent -1.52,-0.7 1.52,0.7, body extent -0.8,-0.4 0.8,0.4, height 0.53
"LED 0603/1608 RED" [mm] "Chip Diode, 2-Leads, Body 1.60x0.80mm, IPC Medium Density"
  rect 0.8x0.8 smd: 1(-0.75,0) 2(0.75,0)
  silkscreen extent -1.52,-0.7 1.52,0.7, body extent -0.8,-0.4 0.8,0.4, height 0.53
"LED 0603/1608 YELLOW" [mm] "Chip Diode, 2-Leads, Body 1.60x0.80mm, IPC Medium Density"
  rect 0.8x0.8 smd: 1(-0.75,0) 2(0.75,0)
  silkscreen extent -1.52,-0.7 1.52,0.7, body extent -0.8,-0.4 0.8,0.4, height 0.53
MEMS_MIC [mm] "Generic 3-pin bottom mount MEMS mic"
  rect 0.29x0.53 smd: 1(0.592,0.935) 2(0.002,0.935) 3(-0.588,0.935)
  round 1.45 hole 0.9: 4(0.007,-0.48)
  silkscreen extent -0.93,-1.35 0.94,1.4, body extent -0.94,-1.35 0.94,1.4, height 0.9
MICROCHIP_MIC5512 [mm] "Microchip MIC5512-1.2YMT"
  rect 0.5x1.4 smd mask+0.05: 0(0,0)
  rect 0.4x0.25 smd mask+0.05: 1(-0.65,0.5) 2(-0.65,0) 3(-0.65,-0.5) 4(0.65,-0.5) 5(0.65,0) 6(0.65,0.5)
  silkscreen extent -1,-0.8 0.8,1.1, body extent -0.8,-0.8 0.8,0.8, height 0.55
"NXP SOT-323-3" [mm] "SOT323, 3-Leads, Body 2.00x2.10mm, Pitch 0.65mm, IPC Medium Density"
  rect 0.55x0.6 smd: 1(-0.925,0.65) 2(0.925,0) 3(-0.925,-0.65)
  silkscreen extent -1.07,-1.1 0.67,1.68, body extent -1.06,-1 1.06,1, height 1
NXP_SOT23 [mm] "NXP SOT23 from PMV30XPEA"
  rect 0.9x0.6 smd: 1(-1.15,0.95) 2(-1.15,-0.95) 3(1.15,0)
  silkscreen extent -1.27,-1.5 0.7,1.92, body extent -1.3,-1.5 1.3,1.5, height 1.1
OSC_2.5x2.0mm [mm] "SMD MEMS oscillator, 2.5x2.0 mm"
  rect 0.65x0.85 smd: 1(0,0) 2(1.65,0) 3(1.65,1.55) 4(0,1.55)
  silkscreen extent -0.47,-0.8 2.13,1.77, body extent -0.48,-0.25 2.12,1.8, height 0.86
PANASONIC_EVQ-P7A [mm] "EVQ-P7A01P Tact Switch SMT Right Angle"
  rect 1.4x1.05 smd mask+0.05: 1(-1.8,0.725) 1(1.8,0.725) 2(-1.8,-0.725) 2(1.8,-0.725)
  silkscreen extent -1.75,-2 1.75,1.5, body extent -2.25,-2 2.25,1.5, height 1.35
"RES 0402/1005" [mm] "Chip Resistor, 2-Leads, Body 1.0x0.5mm, IPC Medium Density"
  rect 0.75x0.6 smd: 1(-0.575,0) 2(0.575,0)
  silkscreen extent -1.14,-0.51 1.14,0.51, body extent -0.5,-0.25 0.5,0.25, height 0.35
"RES 0603/1608" [mm] "Chip Resistor, 2-Leads, Body 1.60x0.80mm, IPC Medium Density"
  rect 0.85x0.95 smd: 1(-0.65,0) 2(0.65,0)
  silkscreen extent -1.27,-0.7 1.27,0.7, body extent -0.8,-0.4 0.8,0.4, height 0.45
ROHM_SSOP5 [mm] "ROHM SSOP5 from BUxxSD5 series datasheet"
  rect 0.95x0.6 smd: 1(-1.375,0.95) 2(-1.375,0) 3(-1.375,-0.95) 4(1.375,-0.95) 5(1.375,0.95)
  silkscreen extent -1.5,-1.55 0.5,1.92, body extent -1.5,-1.55 1.5,1.55, height 1.25
SAMSUNG_BP2000 [mm] "Samsung BP2000 2000mAh battery for Galaxy Camera 2"
  rect 4.064x1.905 smd: 1(-2.7,-8) 2(-2.7,-10.5) 3(-2.7,-13) 4(-2.7,-15.5)
  silkscreen extent -3.5,-16.8 0.6,-6.7, body extent -3.25,-46.3 59,0, height 8.97
"STACKPOLE CSR1206" [mm] "Chip Resistor, 2-Leads, Body 3.13x1.55mm, IPC Medium Density"
  rect 1.15x1.7 smd: 1(-1.575,0) 2(1.575,0)
  silkscreen extent -2.4,-1.1 2.4,1.1, body extent -1.6,-0.78 1.6,0.77, height 0.55
TE_USB-C_2129691-1 [mm] "USB-C Hybrid In-Board Mount"
  rect 0.35x0.6 smd: A1(2.75,-4.5) A2(2.25,-4.5) A3(1.75,-4.5) A4(1.25,-4.5) A5(0.75,-4.5) A6(0.25,-4.5) A7(-0.25,-4.5) A8(-0.75,-4.5) A9(-1.25,-4.5) A10(-1.75,-4.5) A11(-2.25,-4.5) A12(-2.75,-4.5)
  oval 1.15x0.65 hole 0.4 slot 0.9 at 0 deg: B1(-3.2,-3.36) B12(3.2,-3.36)
  round 0.65 hole 0.4: B2(-2.5,-2.46) B3(-1.7,-2.46) B4(-1.3,-3.36) B5(-0.85,-2.46) B6(-0.4,-3.36) B7(0.4,-3.36) B8(0.85,-2.46) B9(1.3,-3.36) B10(1.7,-2.46) B11(2.5,-2.46)
  round 0.6 hole 0.6 unplated mask+0.102: M(-3.45,-4.5) M(3.45,-4.5)
  oval 1x2.56 hole 0.5 slot 1.5 at 90 deg: S(-6.075,-2.56) S(-6.075,1.2) S(6.075,-2.56) S(6.075,1.3)
  oval 1x1.6 hole 0.5 slot 1.1 at 90 deg: S(-4.475,-4.9) S(4.475,-4.9)
  rect 0.5x0.3 smd: S(-3.2,-5.19) S(-1,-5.19) S(1,-5.19) S(3.2,-5.19)
  silkscreen extent -5.4,-5.6 5.4,1.9, body extent -6.17,-5.3 6.18,5.4, height 2.27
TI_SON6 [mm] "Small Outline No-Lead, 6 pin"
  rect 0.3x0.52 smd: 1(-0.5,-0.38) 2(0,-0.38) 3(0.5,-0.38) 4(0.5,0.38) 5(0,0.38) 6(-0.5,0.38)
  silkscreen extent -1.1,-0.5 -0.9,-0.3, body extent -0.75,-0.53 0.75,0.53, height 0.6
TI_SOT-563_DRL [mm] "SOTFL, 6-Leads, Body 1.60x1.60mm, Pitch 0.50mm, IPC Medium Density"
  rect 0.6x0.3 smd: 1(-0.775,0.5) 2(-0.775,0) 3(-0.775,-0.5) 4(0.775,-0.5) 5(0.775,0) 6(0.775,0.5)
  silkscreen extent -0.9,-0.85 0.1,1.33, body extent -0.65,-0.85 0.65,0.85, height 0.6
TP_SMD_1MM_SQ [mm] "1mm square SMD test point"
  rect 1x1 smd: 1(0,0)
  silkscreen extent -0.7,-0.7 0.7,0.7